# Allegro board C000PC009-HI3516DV300-CORE-A-A01.brd (continued)
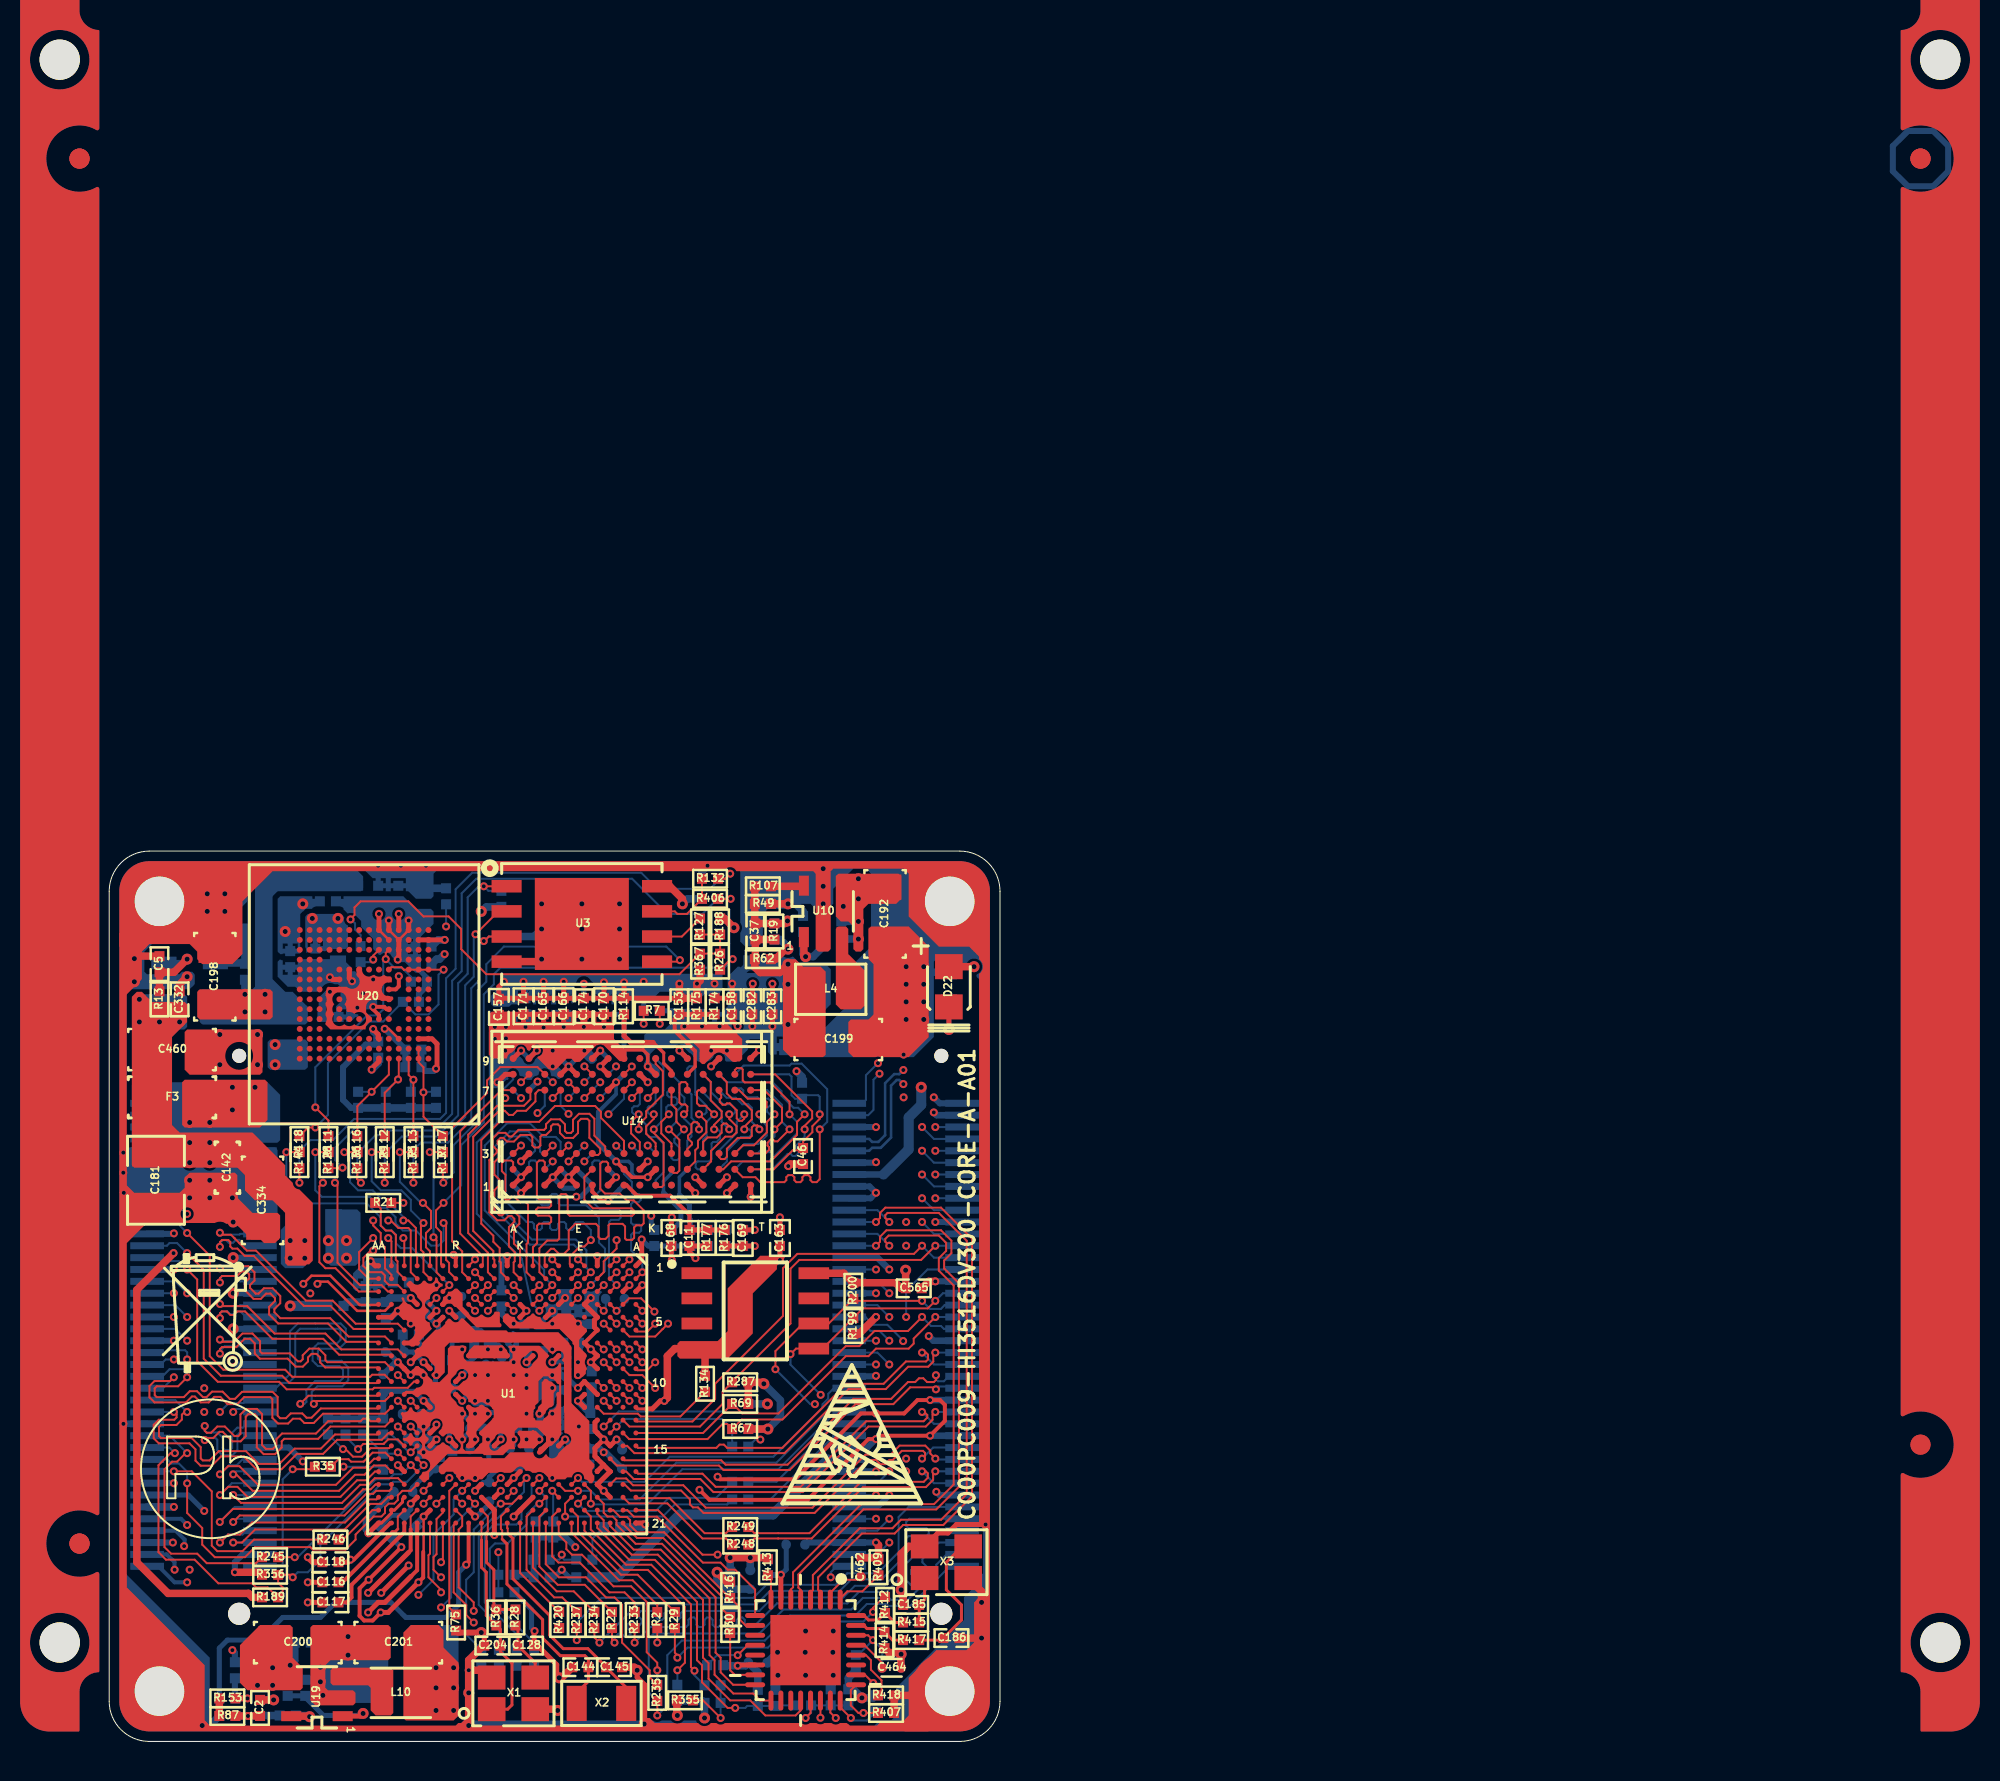
[diagram p0: board, top side]
## Routing (per net, layer and track width the routed paths; a pad name or vN(x,y) marks a point on that pad's centre or on a via; arc(x,y) is an arc through that point) (continued)
USB_PWREN: length 53.4
  TOP w0.102: v1(11.4,28.24) 11.53,28.11 11.53,24.2 12.66,23.06 13.76,23.06 14.08,22.74 U1.Y3
  ART03 w0.102: v1(11.4,28.24) 11.4,30.12 11.89,30.6 11.89,38.73 13.34,40.17 15.24,40.17 16.69,41.62 17.48,41.62 17.91,41.19 20.7,41.19 21.06,41.55 26.57,41.55 27.05,41.06 29.72,41.06 30.73,40.05 31.62,40.05 32.96,38.71 32.96,38.33 33.53,37.76 34.8,37.76 38.81,33.75 v1(38.91,33.75)
  BOTTOM w0.102: v1(38.91,33.75) 38.61,33.44 38.61,31.92 38.34,31.65 J1.78
USB_VBUS: length 4
  TOP w0.254: U1.V4 v1(15.23,22.41)
  BOTTOM w0.381: R76.1 12.03,22.21 R142.2 C59.1 14.18,22.41 v1(15.23,22.41)
VI_CLK/VO_CLK: length 7.4
  TOP w0.102: v1(9.27,13.76) 10.26,13.76 R35.1
  BOTTOM w0.102: J2.1 8.66,8.85 8.76,8.95 8.76,13.25 v1(9.27,13.76)
VI_DATA0/VO_DATA0/I2C5_SCL: length 10.3
  TOP w0.102: U1.Y19 14.08,12.34 13.74,12.01 13.18,12.01 11.89,10.71 7.37,10.71 6.71,10.05 v1(6.26,10.05)
  BOTTOM w0.102: J2.5 v1(6.26,10.05)
VI_DATA1/VO_DATA1/I2C5_SDA: length 11.2
  TOP w0.102: U1.AA19 13.5,12.23 13.08,12.23 11.91,11.07 7.21,11.07 6.6,10.46 6.01,10.46 5.6,10.05 v1(5.59,10.05)
  BOTTOM w0.102: v1(5.59,10.05) 6,10.46 6.73,10.46 6.93,10.65 J2.7
VI_DATA2/VO_DATA2/I2C6_SCL: length 10.3
  TOP w0.102: v1(6.26,11.09) 6.59,11.42 11.89,11.42 12.98,12.51 13.33,12.51 13.48,12.67 14.16,12.67 14.26,12.77 U1.Y18
  BOTTOM w0.102: J2.9 6.43,11.25 v1(6.26,11.09)
VI_DATA3/VO_DATA3/I2C6_SDA: length 11.1
  TOP w0.102: v1(5.59,11.09) 6.25,11.75 11.84,11.75 12.83,12.74 13.21,12.74 13.46,12.99 U1.AA18
  BOTTOM w0.102: J2.11 6.35,11.85 v1(5.59,11.09)
VI_DATA4/VO_DATA4/SPI2_SCLK: length 10.8
  TOP w0.102: v1(6.26,12.45) 6.66,12.06 11.76,12.06 12.67,12.97 13.08,12.97 13.42,13.31 14.59,13.31 U1.W18
  BOTTOM w0.102: J2.13 v1(6.26,12.45)
VI_DATA5/VO_DATA5/SPI2_SDO: length 11.2
  TOP w0.102: v1(5.59,12.45) 6.01,12.87 6.48,12.87 6.99,12.36 11.68,12.36 12.52,13.2 12.98,13.2 13.43,13.64 U1.AA17
  BOTTOM w0.102: v1(5.59,12.45) 6.19,13.05 J2.15
VI_DATA6/VO_DATA6/SPI2_SDI: length 10.4
  TOP w0.102: U1.Y17 13.95,13.95 13.37,13.95 12.9,13.48 12.42,13.48 11.61,12.67 7.25,12.67 6.42,13.5 v1(6.26,13.5)
  BOTTOM w0.102: J2.17 6.42,13.65 v1(6.26,13.5)
VI_DATA7/VO_DATA7/SPI2_CSN: length 11.5
  TOP w0.102: v1(5.59,13.5) 6,13.91 6.58,13.91 7.52,12.97 11.46,12.97 12.32,13.83 12.93,13.83 13.38,14.29 U1.AA16
  BOTTOM w0.102: J2.19 6.73,14.25 6.44,13.96 6.05,13.96 v1(5.59,13.5)
VI_HS/SENSOR_HS/SENSOR1_RSTN: length 19.5
  TOP w0.102: U1.V18 15.23,12.67 14.81,12.67 14.58,12.44 14.58,12.2 14.4,12.02 14.11,12.02 13.93,11.84 13.93,11.55 13.75,11.37 13.36,11.37 12.45,10.46 12.45,10.2 11.94,9.69 10.29,9.69 10.16,9.82 7.37,9.82 6.86,9.31 5.33,9.31 4.7,9.95 4.7,10.79 3.94,11.55 v1(3.94,13.05)
  BOTTOM w0.102: v1(3.94,13.05) 3.94,13.63 3.52,14.05 3.14,14.05 2.93,14.25 J2.20
VI_VS/SENSOR_VS/SENSOR1_CLK: length 12.4
  TOP w0.102: R246.1 7.32,10.2 6.73,9.62 5.46,9.62 5.18,9.9 5.18,12.64 4.17,13.65 v1(3.27,13.65)
  BOTTOM w0.102: J2.18 v1(3.27,13.65)
XIN: length 10.9
  TOP w0.102: 18.81,10.18 18.81,10.18 U1.N21
  TOP w0.152: X1.1 20.13,1.63 20.35,1.85 20.35,3.95 19.76,4.54 C204.1 19.76,5.66 R36.1 19.05,6.37 19.05,8.55 18.81,8.79 18.81,10.18
XOUT: length 6.3
  TOP w0.102: U1.N20 19.13,11.37 19.13,10.62 19.06,10.56 19.06,10.12
  TOP w0.152: R28.1 R36.2 19.43,6.8 19.43,8.68 19.06,9.05 19.06,10.12
$9N18176: length 4.3
  BOTTOM w0.254: U15.H1 26,36.75 C161.1 R178.2 R179.1
$9N18177: length 5.2
  BOTTOM w0.178: 28.8,27.63 28.8,28.52 29.2,28.92 U15.M8
  BOTTOM w0.254: R181.1 R180.2 C159.1 29.36,26.36 29.31,26.41 29.31,27.12 28.8,27.63
$9N18178: length 3.8
  BOTTOM w0.178: U15.L8 28.4,28.92 28.4,28.71 28,28.31 28,27.74
  BOTTOM w0.254: 28,27.74 28.88,26.86 28.88,26.29 28.62,26.03 28.6,26.03 R115.2
$9N18185: length 5.5
  TOP w0.178: U14.M8 29.6,34.11 29.6,34.89
  TOP w0.203: C153.1 28.56,36.51 28.56,35.92 29.6,34.89
  TOP w0.254: C153.1 R175.2 R174.1
$9N18186: length 6.5
  TOP w0.203: C11.1 29.31,26.62 28.35,27.58 26.67,27.58 26.13,28.12 U14.H1
  TOP w0.254: R176.1 R177.2 C11.1
$9N18198: length 4.7
  TOP w0.152: 28.01,34.28 28.01,34.8
  TOP w0.178: 28.01,34.28 28.4,33.88 28.4,33.72 U14.L8 ; 28.01,34.8 27.48,35.33
  TOP w0.254: R114.2 26.01,35.66 26.34,35.33 27.13,35.33 27.13,35.33 27.48,35.33
$10N9450: length 6.6
  TOP w0.102: R237.1 22.89,7.28 22.48,7.28 21.08,8.68 21.08,11.37 U1.J20
$10N9451: length 11.1
  TOP w0.102: U1.G21 22.71,10.44 23.09,10.05 23.09,9.72 23.37,9.44 23.88,9.44 25.48,7.84 26.37,7.84 27.15,7.05 27.15,4.51 27.69,3.98 v1(27.69,3.6)
  BOTTOM w0.102: R236.1 v1(27.69,3.6)
$10N9452: length 11.6
  TOP w0.102: U1.H21 22.06,8.96 22.72,8.3 24.08,8.3 25.1,7.28 25.53,7.28 25.91,6.9 25.91,4.99 27.31,3.6 27.31,3.24 R235.1
$10N9453: length 6.3
  TOP w0.102: R234.1 23.47,7.59 22.61,7.59 21.41,8.79 U1.J21
$10N9454: length 8.1
  TOP w0.102: R233.1 26.54,7.03 26.04,7.53 25.27,7.53 23.77,9.04 22.69,9.04 22.38,9.36 22.38,11.37 U1.G20
$10N9455: length 7.6
  TOP w0.102: R22.1 24.03,7.92 22.66,7.92 21.73,8.84 21.73,11.36 U1.H20
$10N9456: length 4.6
  TOP w0.102: R21.1 13.72,26.94 13.72,26.08 13.97,25.82 14.25,25.82 14.48,25.59 14.48,24.35 14.57,24.26 14.57,23.73 U1.W2
$10N9463: length 5.2
  TOP w0.102: 14.58,10.74 14.58,11.36 U1.W20
  TOP w0.152: 14.41,10.57 14.58,10.74
  TOP w0.203: 14.41,10.57 14.31,10.57 11.79,8.04 C116.2
$10N9464: length 5.6
  TOP w0.203: C117.2 11.99,7.03 12.24,7.28 12.24,7.92 14.91,10.58 U1.W21
$19N2543: length 9
  TOP w0.102: v1(23.68,12.02) 23.68,12.02 24.01,12.34 U1.E19
  BOTTOM w0.102: R239.2 30.66,12.31 28.27,12.31 27.61,11.65 24.05,11.65 v1(23.68,12.02)
$19N2544: length 9.9
  TOP w0.102: U1.F19 23.36,12.34 23.03,12.02 v1(23.03,11.37)
  BOTTOM w0.102: v1(23.03,11.37) 27.96,11.37 28.58,11.98 31.22,11.98 R238.2
$19N2566: length 3
  TOP w0.152: R28.2 20.65,5.73 C128.1 21.52,3.97 X1.3
$19N2573: length 29.3
  TOP w0.102: U1.T1 16.86,24.04 16.76,24.13 16.76,25.74 16.51,25.99 16.51,26.84 v1(16.89,27.22) ; v1(31.5,39.54) 31.39,39.54 R26.2
  BOTTOM w0.102: v1(16.89,27.22) 17.78,28.11 17.78,30.14 18.92,31.28 18.92,37.76 19.43,38.27 19.43,38.78 19.76,39.11 31.06,39.11 v1(31.5,39.54)
$19N2578: length 3.6
  TOP w0.254: v1(17.18,21.76) 17.51,21.44 U1.R5
  BOTTOM w0.254: R149.1 17.32,20.28 R148.1 17.78,20.73 C90.2 17.4,21.54 v1(17.18,21.76)
$20N13: length 2.8
  TOP w0.102: v1(31.75,4.36) 32.25,4.86 U21.12
  BOTTOM w0.102: v1(31.75,4.36) 30.71,4.36 R419.2
$20N14: length 2.2
  TOP w0.102: U21.2 36.43,7.51 37.08,8.17 37.81,8.17 C462.1
$20N15: length 1.9
  TOP w0.102: C464.1 39.05,3.97 38.16,4.86 U21.29
$20N16: length 1.3
  TOP w0.102: U21.8 33.43,8.24 R413.2
$20N17: length 2.5
  TOP w0.102: U21.1 36.93,7.23 37.29,7.59 38.05,7.59 R409.2
$20N18: length 3.7
  TOP w0.102: U21.30 38.34,5.36 v1(38.58,5.12)
  BOTTOM w0.102: LB1.2 37.83,4.37 v1(38.58,5.12) 39.05,4.65 C465.1
$20N19: length 3.6
  TOP w0.254: U21.7 v1(33.93,8.42)
  BOTTOM w0.254: v1(33.93,8.42) 34.2,8.7 C463.1
  BOTTOM w0.305: v1(33.93,8.42) 33.92,8.41 LB2.2
$20N20: length 2.9
  TOP w0.102: R418.2 39.01,2.51 39.01,3.09 38.48,3.62 38.48,4.11 38.22,4.36 U21.28
$24N4711: length 2
  TOP w0.381: v2(34.29,40.05) 34.16,40.05 33.66,39.54 R62.2
  BOTTOM w0.381: R52.1 33.91,40.53 34.29,40.15 v2(34.29,40.05)
$24N4738: length 4.3
  TOP w0.381: v2(34.26,41.47) 34.14,41.34 R19.2 C37.2 32.61,41.37 R49.2 R107.2
  BOTTOM w0.381: R19.2 34.14,41.34 v2(34.26,41.47)
$24N4740: length 0.9
  TOP w0.381: R153.2 R87.1
$24N4742: length 1.7
  TOP w0.381: v2(10.12,1.25) 10.07,1.25 10.05,1.28 U19.5
  BOTTOM w0.381: v2(10.12,1.25) 10.07,1.25 10.01,1.31 R106.1
$24N4743: length 2.2
  TOP w0.305: R153.1 v1(6.99,2.18)
  BOTTOM w0.305: v1(6.99,2.18) R153.1 6.35,2.2 C27.1
$24N4744: length 3.2
  BOTTOM w0.381: U9.4 6.82,39.35 R3.2 6.86,40.78 R24.1
$24N4746: length 3.9
  TOP w0.381: R13.2 C5.1 3.28,38.88 v2(3.94,39.54)
  BOTTOM w0.305: U9.3 3.74,39.35 v2(3.94,39.54)
$24N6101: length 3.5
  TOP w0.381: R87.2 v1(7.01,1.29) C2.2
  BOTTOM w0.381: R87.2 v1(7.01,1.29) C2.2 7.65,1.31 R106.2
$24N6123: length 1.7
  TOP w0.381: U10.5 35.06,43.22 R107.1
$25N58: length 7.8
  TOP w0.102: R29.1 26.7,8.42 25.86,8.42 23.68,10.6 23.68,11.37 U1.F20
$25N63: length 12.1
  TOP w0.102: U1.E20 24.01,11.69 24.33,11.37 24.33,10.71 26.11,8.93 27.38,8.93 29.39,6.93 29.39,3.75 v1(29.57,3.57)
  BOTTOM w0.102: R33.1 29.57,3.34 v1(29.57,3.57)
$25N69: length 7.8
  TOP w0.102: U1.B21 25.96,10.99 26.67,10.28 27.99,10.28 30.94,7.33 30.94,6.72 R30.1
$25N1561: length 5.7
  TOP w0.102: R249.1 31.16,10.53 30.08,10.53 28.31,12.3 26.65,12.3 U1.A19
$25N1562: length 6.5
  TOP w0.102: U1.B19 26.27,12.03 28.2,12.03 29.97,10.26 31.16,10.26 R248.1
$25N1563: length 2.6
  TOP w0.102: U1.W16 v1(14.58,14.61)
  BOTTOM w0.102: v1(14.58,14.61) 14.51,14.55 R247.2 12.88,15.51 R205.2
$25N1564: length 2.6
  TOP w0.102: U1.AA20 13.3,11.69 11.81,10.2 R246.2
$25N1565: length 9.1
  TOP w0.102: v1(9.37,9.31) R245.2 ; U1.V17 15.23,13.96 v1(15.23,13.97)
  BOTTOM w0.102: v1(15.23,13.97) 14.77,13.5 14.38,13.5 14.12,13.25 13.46,13.25 9.53,9.31 v1(9.37,9.31)
$25N1576: length 3.6
  TOP w0.102: U1.Y16 13.95,14.6 13.31,14.6 12.85,14.14 12.22,14.14 12.09,14.27 11.58,14.27 R35.2
$27N556: length 3.7
  TOP w0.102: U3.7 28.58,41.95 28.7,41.82 29.18,41.82 R406.1 R132.1
$27N1472: length 6
  TOP w0.203: v1(14.63,38.68) 14.63,38.17 14.47,38.01 U20.H5
  ART03 w0.254: v1(14.63,38.68) 15.01,38.68 16.26,39.92 16.26,40.55 16.89,41.19 v1(17.02,41.19)
  BOTTOM w0.102: v1(17.02,41.19) R146.1
$27N1480: length 4.1
  TOP w0.254: v1(16.51,34) 16.56,34.05 16.56,35.26 16.31,35.51 U20.C2
  BOTTOM w0.305: v1(16.51,34) 16.4,33.89 15.96,33.89 C55.1 C57.1
N14034: length 6.7
  TOP w0.102: U1.F21 23.36,10.54 25.76,8.14 26.44,8.14 27.69,6.9 R2.1
N15637: length 1.9
  BOTTOM w0.102: R25.2 24.41,10.25 C56.1
N23259: length 5.4
  TOP w0.254: v2(12.83,1.41) 12.69,1.28 U19.1
  BOTTOM w0.254: v2(12.83,1.41) 12.73,1.31 10.82,1.31 9.91,2.23 C423.1 R308.2
N23347: length 2.6
  TOP w0.254: D22.2 v2(42.42,35.98)
  BOTTOM w0.254: R225.2 v2(42.42,35.98)
N23431: length 3.8
  TOP w0.381: v2(35.18,39.67) 35.09,39.75 U10.1
  BOTTOM w0.381: R170.2 36.17,40.28 35.56,39.67 v2(35.18,39.67) 35.05,39.79 C81.1

## Copper pours and planes (outline as drawn; the poured copper is in the pictures)
1V8 on TOP (solid shape): 8.26,37.89 8.26,36.62 8.13,36.49 4.57,36.49 4.45,36.62 4.45,37.89 4.57,38.01 8.13,38.01
1V8 on BOTTOM (solid shape): 12.83,43.73 12.83,43.09 12.7,42.97 8.51,42.97 8.26,42.71 8.26,38.52 8.89,37.89 9.27,37.89 10.03,37.13 10.03,36.36 9.91,36.24 4.7,36.24 4.57,36.36 4.57,37.89 4.7,38.01 7.24,38.01 7.37,38.14 7.37,43.35 8,43.98 12.57,43.98
1V8_SOC on BOTTOM (solid shape): 10.03,35.35 10.03,34.08 9.91,33.95 8.13,33.95 8,34.08 8,35.35 8.13,35.47 9.91,35.47
1V8_SOC on ART05 (solid shape): outline of 3024 points within 7.87,9.95 20.96,35.98
3V3 on TOP (solid shape): 9.27,5.76 9.27,4.23 9.78,3.72 9.78,2.71 9.65,2.58 6.99,2.58 6.6,2.96 6.6,4.87 7.62,5.88 9.14,5.88
3V3 on TOP (solid shape): 39.88,43.86 40.01,43.73 40.01,42.59 39.75,42.33 38.35,42.33 38.1,42.08 38.1,40.05 37.97,39.92 37.72,39.92 37.59,40.05 37.59,41.19 37.45,41.33 37.45,41.36 37.42,41.36 37.34,41.44 36.96,41.44 36.7,41.7 36.7,43.68 36.7,43.73 36.83,43.86 39.83,43.86
3V3 on TOP (solid shape): 2.08,37.46 2.16,37.38 3.81,37.38 3.94,37.25 3.94,36.36 3.18,35.6 3.18,31.16 3.56,30.78 3.7,30.78 7.24,30.78 8.89,29.12 8.89,28.62 9.28,28.23 9.28,28.21 9.38,28 9.58,27.91 9.6,27.9 10.29,27.22 10.29,24.3 10.1,24.11 9.98,24.11 9.92,24.04 9.02,24.04 8.89,24.17 8.89,25.34 8.89,25.34 8.89,26.69 8.89,26.71 8.78,26.83 8.78,26.85 8.75,26.85 8.26,27.35 7.37,27.35 6.86,27.85 6.86,28.62 6.48,29 5.21,29 5.21,29 3.96,29 3.96,29 1.27,29 1.14,29.12 1.14,37.58 1.14,37.63 1.4,37.89 1.65,37.89
3V3 on BOTTOM (solid shape): 3.94,37.63 3.94,36.11 3.81,35.98 1.4,35.98 1.27,36.11 1.27,37.63 1.4,37.76 3.81,37.76
3V3 on BOTTOM (solid shape): 9.88,26.89 9.98,26.89 10.16,26.71 10.16,24.3 9.78,23.92 8.89,23.92 8.67,24.14 8.67,25.86 8.89,26.08 8.89,26.84 9.02,26.97 9.8,26.97
3V3 on BOTTOM (solid shape): 10.26,42.08 9.93,42.08 9.8,41.95 9.78,41.95 9.65,41.82 9.65,41.8 9.65,39.92 9.61,39.88 9.56,39.87 9.53,39.92 9.53,40.33 8.76,40.33 8.76,39.79 8.64,39.79 8.51,39.92 8.51,42.59 8.64,42.71 10.26,42.71
3V3 on ART05 (solid shape): outline of 11998 points within 0.51,0.51 44.49,44.49
3V3_SOC on TOP (solid shape): outline of 176 points within 15.41,13.05 24.51,21.39
3V3_SOC on BOTTOM (solid shape): 12.7,26.71 12.7,24.3 12.45,24.04 11.18,24.04 10.92,24.3 10.92,26.89 12.52,26.89
3V3_SOC on ART03 (solid shape): outline of 1196 points within 10.41,13.76 25.56,25.7
DDRIO_1.5V/1.35V on TOP (solid shape): 35.05,39.16 35.94,39.16 36.2,38.9 36.2,34.71 36.07,34.59 34.42,34.59 34.04,34.97 34.04,39.29 34.28,39.54 34.67,39.54
DDRIO_1.5V/1.35V on TOP (solid shape): 31.48,36 31.53,35.93 31.6,35.88 31.98,35.51 31.98,34.49 31.85,34.36 31.47,34.36 31.09,34.74 31.01,34.74 31,34.76 30.8,34.82 30.61,34.76 30.6,34.74 30.58,34.74 30.07,34.24 29.95,34.24 29.82,34.36 29.82,34.83 29.83,34.89 29.82,35 28.85,35.96 28.85,36.2 29.01,36.35 31.13,36.35
DDRIO_1.5V/1.35V on TOP (solid shape): 20.17,21.61 20.29,21.49 20.45,21.46 20.49,21.45 20.59,21.25 20.76,21.19 20.86,21.21 20.95,21.28 21.14,21.46 21.15,21.47 21.26,21.52 21.34,21.61 21.36,21.63 21.45,21.63 21.47,21.61 21.59,21.49 21.75,21.46 21.79,21.45 21.89,21.25 22.06,21.19 22.16,21.21 22.25,21.28 22.44,21.46 22.45,21.47 22.56,21.52 22.64,21.61 22.66,21.63 23.29,21.63 24.13,20.79 24.13,20.7 24.04,20.62 24.04,20.6 23.74,20.31 23.74,19.94 23.85,19.83 23.85,19.83 24.08,19.6 24.08,19.34 24.03,19.17 24.08,18.99 24.08,18.58 23.93,18.43 23.87,18.4 23.83,18.37 23.78,18.33 23.58,18.33 23.48,18.42 23.48,20.01 23.4,20.09 23.4,20.19 22.75,20.84 21.47,20.84 21.44,20.87 20.24,20.87 19.89,21.23 19.89,21.48 20.04,21.63 20.15,21.63
DDRIO_1.5V/1.35V on TOP (solid shape): 20.55,36.89 20.55,36.37 21.31,36.37 21.31,36.89 21.56,36.89 21.56,36.37 22.33,36.37 22.33,36.89 22.58,36.89 22.58,36.37 23.34,36.37 23.34,36.89 23.6,36.89 23.6,36.37 24.36,36.37 24.36,36.89 24.61,36.89 24.61,36.37 25.37,36.37 25.37,36.89 25.45,36.89 25.5,36.84 25.5,35.51 26.14,34.87 26.14,34.38 25.78,34.38 24.98,35.19 24.94,35.19 24.93,35.19 24.8,35.22 24.68,35.19 24.66,35.19 24.62,35.19 23.78,34.35 23.51,34.35 23.35,34.5 23.11,34.5 22.58,33.98 22.2,33.98 21.67,34.52 21.65,34.52 21.63,34.58 21.67,34.62 21.68,34.62 21.82,35.13 21.31,34.99 21.31,34.98 21.27,34.94 21.17,34.92 21.1,34.99 20.81,35.22 20.51,34.99 20.51,34.98 20.35,34.82 20.33,34.81 20.18,34.72 20.1,34.56 20.1,34.52 19.37,34.52 19.18,34.71 19.18,36.74 19.32,36.89 20.46,36.89
DDRIO_1.5V/1.35V on BOTTOM (solid shape): outline of 210 points within 19.18,33.02 24.64,36.98
DDRIO_1.5V/1.35V on BOTTOM (solid shape): outline of 291 points within 27.03,33.52 36.45,39.67
DDRIO_1.5V/1.35V on ART05 (solid shape): outline of 3254 points within 17.27,16.04 36.57,39.54
DVDD on TOP (solid shape): 16.89,5.63 16.89,4.74 17.65,3.98 17.65,1.31 17.4,1.06 14.99,1.06 14.86,1.18 14.86,5.5 15.24,5.88 16.64,5.88
DVDD on TOP (solid shape): 20.1,19.77 20.1,19.76 20.14,19.65 20.22,19.55 20.22,19.43 20.15,19.36 18.14,19.36 18.09,19.42 18.09,19.6 18.13,19.66 18.16,19.74 18.16,19.75 18.43,20.02 19.86,20.02
DVDD on TOP (solid shape): 21.49,15.7 21.55,15.7 21.91,15.34 21.91,15.21 21.76,15.05 21.7,15.05 21.47,14.82 20.74,14.82 20.64,14.92 20.64,15 20.77,15.26 20.64,15.53 20.64,15.62 20.72,15.7 21.49,15.7
DVDD on TOP (solid shape): 22.12,18.3 22.22,18.22 22.34,18.18 22.35,18.18 22.53,18.01 22.55,17.99 22.58,17.97 22.58,17.76 22.48,17.67 22.45,17.54 22.45,17 22.35,16.9 22.34,16.9 22.14,16.8 22.05,16.61 22.05,16.59 21.83,16.37 21.63,16.37 21.59,16.42 21.59,16.71 21.64,16.79 21.66,16.88 21.66,16.9 21.84,17.09 21.84,18.15 22,18.3
DVDD on TOP (solid shape): 18.3,16.93 18.48,16.88 18.66,16.93 18.95,16.93 19.02,16.9 19.09,16.88 19.11,16.88 19.27,16.72 19.27,16.41 18.63,15.77 18.55,15.57 18.65,15.39 18.69,15.34 18.69,15.19 18.59,15.07 18.35,14.83 18.07,14.83 18.04,14.87 18.04,15 18.08,15.05 18.17,15.26 18.08,15.48 18.08,16.35 18.17,16.56 18.09,16.77 18.08,16.78 18.08,16.93
DVDD on BOTTOM (solid shape): 17.65,5.5 17.65,1.31 17.53,1.18 15.37,1.18 15.11,1.44 15.11,5.76 15.24,5.88 17.18,5.88 17.27,5.88
DVDD on BOTTOM (solid shape): 19.02,20.52 19.39,20.52 19.4,20.51 19.4,20.33 19.49,20.24 19.59,20.17 19.71,20.15 19.73,20.15 19.94,19.94 19.95,19.87 19.96,19.82 19.96,19.46 19.96,19.32 19.96,19.27 19.93,19.24 19.79,19.24 19.47,19.56 19.33,19.56 19.21,19.53 19.11,19.47 19.1,19.46 19,19.46 18.92,19.54 18.92,20.5 18.98,20.56
DVDD on BOTTOM (solid shape): 23.3,17.78 23.3,17.7 23.14,17.53 22.69,17.53 22.36,17.2 22.25,17.05 21.97,16.77 21.97,16.35 22.27,16.05 22.25,15.81 22.25,15.77 21.83,15.34 21.81,15.25 21.79,15.21 21.75,15.19 21.66,15.17 21.3,14.81 21.05,14.77 20.91,14.91 20.87,14.95 20.87,15.32 21.17,15.62 21.17,15.98 21.29,15.98 21.59,16.28 21.59,16.71 22,17.12 22,17.15 22.1,17.25 22.1,17.32 22.28,17.51 22.28,17.65 22.27,17.73 22.24,17.8 22.22,17.83 22.3,17.91 22.35,17.93 22.38,17.94 22.42,17.93 22.48,17.9 22.73,17.9 22.85,17.93 22.96,18 23.08,18
DVDD on ART05 (solid shape): outline of 2789 points within 14.99,0.51 29.08,21.38
GND on TOP (solid shape): 34.14,24.45 33.73,24.04 33.73,23.87 32.51,22.65 32.51,20.62 31.24,19.35 28.83,19.35 28.7,19.47 28.7,20.11 28.83,20.23 30.73,20.23 31.24,20.74 31.24,22.9 32.89,24.55 34.04,24.55
GND on TOP (solid shape): 14.22,5.76 14.22,4.23 14.1,4.11 11.18,4.11 10.92,3.85 10.92,2.71 11.05,2.58 12.32,2.58 12.45,2.45 12.45,1.95 12.32,1.82 10.41,1.82 10.16,2.07 10.16,5.76 10.29,5.88 14.1,5.88
GND on TOP (solid shape): 41.4,40.17 41.4,35.6 40.39,34.59 38.97,34.59 38.96,34.59 38.84,34.61 38.72,34.59 38.71,34.59 37.59,34.59 37.34,34.84 37.34,36.36 37.47,36.49 38.35,36.49 38.61,36.74 38.61,39.28 38.35,39.54 38.35,39.94 38.35,39.94 38.35,41.06 38.48,41.19 40.39,41.19
GND on TOP (solid shape): 7.75,35.86 7.75,33.82 7.62,33.7 4.06,33.7 3.81,33.95 3.81,34.65 5.86,34.65 5.87,34.58 5.88,34.5 5.9,34.43 5.93,34.36 5.96,34.3 6,34.23 6.05,34.18 6.1,34.12 6.16,34.08 6.23,34.04 6.29,34.01 6.36,33.98 6.44,33.96 6.51,33.95 6.58,33.95 6.66,33.96 6.73,33.97 6.8,33.99 6.87,34.02 6.94,34.06 7,34.1 7.06,34.15 7.11,34.2 7.15,34.26 7.19,34.33 7.22,34.4 7.24,34.47 7.26,34.54 7.27,34.62 7.27,34.69 7.26,34.76 7.24,34.84 7.22,34.91 7.19,34.98 7.15,35.04 7.11,35.1 7.06,35.15 7,35.2 6.94,35.25 6.87,35.28 6.8,35.31 6.73,35.33 6.66,35.35 6.58,35.35 6.51,35.35 6.44,35.34 6.36,35.32 6.29,35.3 6.23,35.27 6.16,35.23 6.1,35.18 6.05,35.13 6,35.07 5.96,35.01 5.93,34.94 5.9,34.87 5.88,34.8 5.87,34.73 5.86,34.65 3.81,34.65 3.81,35.86 3.94,35.98 7.62,35.98
GND on TOP (solid shape): 17.86,22.61 17.86,21.98 18.16,21.67 18.41,21.44 18.73,21.55 18.81,21.58 18.88,21.55 19.21,21.44 19.45,21.7 19.48,21.72 19.69,21.72 19.74,21.67 19.74,21.55 19.74,21.54 19.74,21.16 19.79,21.1 19.82,20.99 19.72,20.93 18.55,20.93 17.36,22.12 17.01,22.12 16.9,22.01 16.83,21.98 16.76,22.01 16.75,22.01 16.72,22.09 16.75,22.17 16.84,22.29 16.86,22.44 16.9,22.49 16.92,22.49 17.05,22.57 17.11,22.7 17.13,22.73 17.16,22.73 17.33,22.77 17.46,22.89 17.58,22.89
GND on TOP (solid shape): 42.97,44.49 44.05,44.05 44.49,42.97 44.49,2.03 44.05,0.95 42.97,0.51 40.17,0.51 39.88,0.8 40.39,1.31 40.39,3.22 41.78,4.61 43.31,4.61 43.69,4.99 43.69,7.03 44.32,7.66 44.32,10.58 44.29,10.61 44.29,10.67 44.23,10.67 43.94,10.96 43.94,38.79 44.13,39.16 43.94,39.52 43.94,39.67 43.43,40.17 41.91,40.17 40.39,41.7 40.39,43.86 40.22,44.02 40.13,44.11 36.72,44.11 36.58,44.11 36.45,43.98 36.45,41.59 36.45,41.17 36.45,40.05 36.32,39.92 35.81,39.92 35.69,40.05 35.69,43.86 35.56,43.98 31.68,43.98 31.66,44.01 31.4,44.19 31.11,44.06 29.49,44.06 29.49,43.98 8.26,43.98 6.73,42.46 6.73,39.79 6.22,39.28 4.7,39.28 4.45,39.54 4.45,39.92 4.06,40.3 2.03,40.3 1.78,40.05 0.64,40.05 0.51,40.17 0.51,42.97 0.95,44.05 2.03,44.49
GND on TOP (solid shape): outline of 83 points within 14.55,19.95 16.85,23.48
GND on TOP (solid shape): outline of 271 points within 0.51,0.51 41.45,40.92
GND on TOP (solid shape): outline of 288 points within 10.92,35.98 14.35,39.16
GND on TOP (solid shape): outline of 845 points within 14.72,13.09 22.83,20
GND on BOTTOM (solid shape): 14.1,5.76 14.1,2.45 13.59,1.95 10.72,1.95 10.41,2.26 10.41,4.11 10.8,4.49 10.8,5.63 11.05,5.88 13.97,5.88
GND on BOTTOM (solid shape): 14.61,24.04 14.61,23.58 13.94,23.58 13.94,22.9 13.59,22.9 13.46,22.77 13.34,22.77 13.34,23.4 12.57,23.4 12.57,22.77 12.45,22.77 12.32,22.9 12.32,23.66 13.08,24.43 14.22,24.43
GND on BOTTOM (solid shape): 11.71,41.82 11.88,41.65 11.87,41.62 11.89,41.41 12.04,41.25 12.07,41.24 12.07,40.17 11.94,40.05 11.05,40.05 10.97,39.97 10.86,39.94 10.8,40.04 10.8,40.45 10.03,40.45 10.03,39.92 10,39.87 9.95,39.88 9.95,40.01 9.91,40.14 9.91,41.7 10.03,41.82 11.2,41.82
GND on BOTTOM (solid shape): 30.99,37.94 30.2,37.94 30.2,37.25 30.07,37.25 30.07,37.94 29.31,37.94 29.31,37.25 29.18,37.25 29.18,37.94 28.42,37.94 28.42,37.91 28.39,37.86 28.33,37.87 28.32,37.89 27.81,37.89 27.43,37.51 26.67,37.51 26.56,37.4 26.45,37.38 26.39,37.47 26.39,37.94 25.63,37.94 25.63,37.25 25.37,37.25 25.37,37.94 24.51,37.94 24.51,38.27 24.32,38.46 24.32,38.47 23.94,38.67 23.61,38.39 23.6,38.38 23.5,38.27 23.5,37.38 23.43,37.31 23.37,37.3 23.34,37.35 23.34,37.94 22.58,37.94 22.58,37.25 22.33,37.25 22.33,37.94 21.56,37.94 21.56,37.25 21.41,37.25 21.41,37.94 20.65,37.94 20.65,37.25 20.32,37.25 20.2,37.13 19.58,37.13 19.57,37.13 19.43,37.13 19.3,37.25 19.3,37.71 19.74,38.14 19.74,38.65 19.89,38.8 30.99,38.8
GND on BOTTOM (solid shape): outline of 167 points within 22.23,13.5 23.44,17.06
GND on BOTTOM (solid shape): outline of 191 points within 21.91,21.41 24.91,22.88
GND on BOTTOM (solid shape): outline of 93 points within 15.24,14.09 16.95,16.41
GND on BOTTOM (solid shape): outline of 499 points within 0.51,0.51 44.49,44.49
GND on BOTTOM (solid shape): outline of 565 points within 18.29,16.3 23.36,20.74
GND on ART02 (solid shape): outline of 19722 points within 0.51,0.51 44.49,44.49
GND on ART03 (solid shape): outline of 717 points within 0.51,0.51 44.49,44.49
GND on ART04 (solid shape): outline of 14974 points within 0.51,0.51 44.49,44.49
GND on ART05 (solid shape): outline of 2687 points within 17.02,21.64 28.32,36.79
VCC_IN on TOP (solid shape): 8,33.32 8,31.41 7.62,31.03 3.81,31.03 3.68,31.16 3.68,33.32 3.81,33.44 7.87,33.44
VCC_IN on BOTTOM (solid shape): 8.64,32.68 8.64,30.39 8.51,30.27 5.49,30.27 5.48,30.31 5.08,30.67 4.68,30.31 4.67,30.27 4.47,30.27 4.47,30.31 4.06,30.67 3.66,30.31 3.65,30.27 1.14,30.27 1.14,33.14 1.14,33.19 1.27,33.32 8,33.32
EMMC_3V3 on BOTTOM (solid shape): outline of 134 points within 8.51,36.36 13.54,39.54
EMMC_VCCQ on BOTTOM (solid shape): outline of 138 points within 11.83,38.85 16.38,42.71
Net_2 on BOTTOM (solid shape): outline of 429 points within 90.5,0.5 94.5,89.5
Net_3 on TOP (solid shape): outline of 429 points within 90.5,0.5 94.5,89.5
Net_4 on BOTTOM (solid shape): outline of 429 points within -4.5,0.5 -0.5,89.5
Net_5 on TOP (solid shape): outline of 429 points within -4.5,0.5 -0.5,89.5
$24N4737 on TOP (solid shape): 37.34,41.06 37.34,39.94 37.34,39.79 38.23,38.9 38.23,37.25 37.97,37 36.96,37 36.7,37.25 36.7,41.01 36.7,41.06 36.83,41.19 37.21,41.19
$24N4741 on TOP (solid shape): 14.35,3.6 14.35,1.44 14.22,1.31 13.46,1.31 13.21,1.57 13.21,2.71 13.08,2.84 11.3,2.84 11.18,2.96 11.18,3.6 11.3,3.72 14.22,3.72

## Text on the board
User.Comments: CR_UNNAMED_2
Ref Des/Silkscreen Top: C000PC009-HI3516DV300-CORE-A-A01
DIMENSION: Surface Finished | Compare With IPC File: | Short Net NO. | Silkscreen Color: | Soldermask Color: | Dielectric Material: | DESIGN BY EDADOC | Tg: | Board Name:C000PC009-HI3516DV300-CORE-A-A01 | [XX] | If the layers  10, TG must be 170 | Layers:06 | Short Net Name: | E-Mail:edadoc@pcbdoc.com | HASL(Sn/Pb) | White | Green | OSP | FR-4 | Default | Golden Finger,Others HASL(Pb-Free) | Golden Finger,Others HASL(Sn/Pb) | Yes | xxxxx | ImAg | Yellow | Other | No | HASL(Pb-Free) | Blue | Mid-Tg | 150 | C | Panel Mode: | Tel: +86-755-88852189 | Board Thickness:1.6 mm+/-10% | ImSn | Immersion Gold(ENIG) | Red | Black | Golden Finger,Others ENIG | Golden Finger,Others OSP | Hi-Tg | 170 | 2x2 | XXXXX | Etched Core | Single Impedance | PREPREG | BOT06 | PWR05 | CORE | TOP01 | ART03 | GND02 | ART04 | Diff Impedance | Layers | 50.0 | (ohm) | 100 | 90 | Design Layer | Layer Stack up | Solder Top | 1,6 | 3,4 | 6 | 3 | Solder Bot | Silk Top | Silk Bot | Trace Width | Trace W/S | 4.01/6.49 | 4.10/6.4 | 4.00/10 | 6.00/6.50 | 5.10/6.70 | (mil) | 4.00 | PP,EC,PP | Tolerance | Type | (OHM) | PP | (%) | + | - | 10 | 5 | Frequency | (MHZ) | 36.08 | 1.6 | 3.5 | 1.2 | 5.12 | Thickness | L2//L5 | L5 | L2&L5 | Ref.Layers | 0.5+plating | (Oz) | 1.0 | is D<0.8MM or D>2.5MM when using V-CUT | D=The board thickness | Please confirm with EQ if the board thickness | B=0.35 0.1MM(0.8MM D 1.2MM) | B=0.40 0.1MM(1.2MM D 1.6MM) | C 0.5mm(Design Recommend)
BODY_CENTER: 59 | 60 | 2
DEVICE_TYPE_TOP: M1 | X2 | R6 | C13 | L1 | HIAP6255 VER.A | M2 | U1 | C3 | C5 | R19 | C16 | C8 | C9 | X1 | C7 | J1 | C2 | C1 | LB1 | R18 | R12 | R16 | R15 | R3 | R14 | C6 | R2 | R13 | R17 | R11 | C10 | R5 | R10 | C4 | R7 | R9 | R8 | R260 | C15 | R1 | C11 | R4 | C12 | C17
DEVICE_TYPE_BOTTOM: 59 | 2 | 60 | J2 | C14
User.23: FIGURE | SIZE | 8.0 | 10.0 | 98.43 | 28.0 | 44.0 | 80.0 | DRILL CHART: TOP to BOTTOM | ALL UNITS ARE IN MILS | PLATED | NON-PLATED | QTY | 594 | 140 | 4 | 2
